# Altium PCB XTIDA-010086.PcbDoc (part 4 of 17)
Units mm, origin at the board's own origin, x right, y up, seen from the top; angles counter-clockwise.
Board outline 375 x 210 mm, 6 copper layers (Top Layer, GND Layer, Signal Layer 1, Signal Layer 2, Power Layer, Bottom Layer), stack 1.575 mm thick; 1884 components, 1036 nets, 4948 pads, 6791 vias.
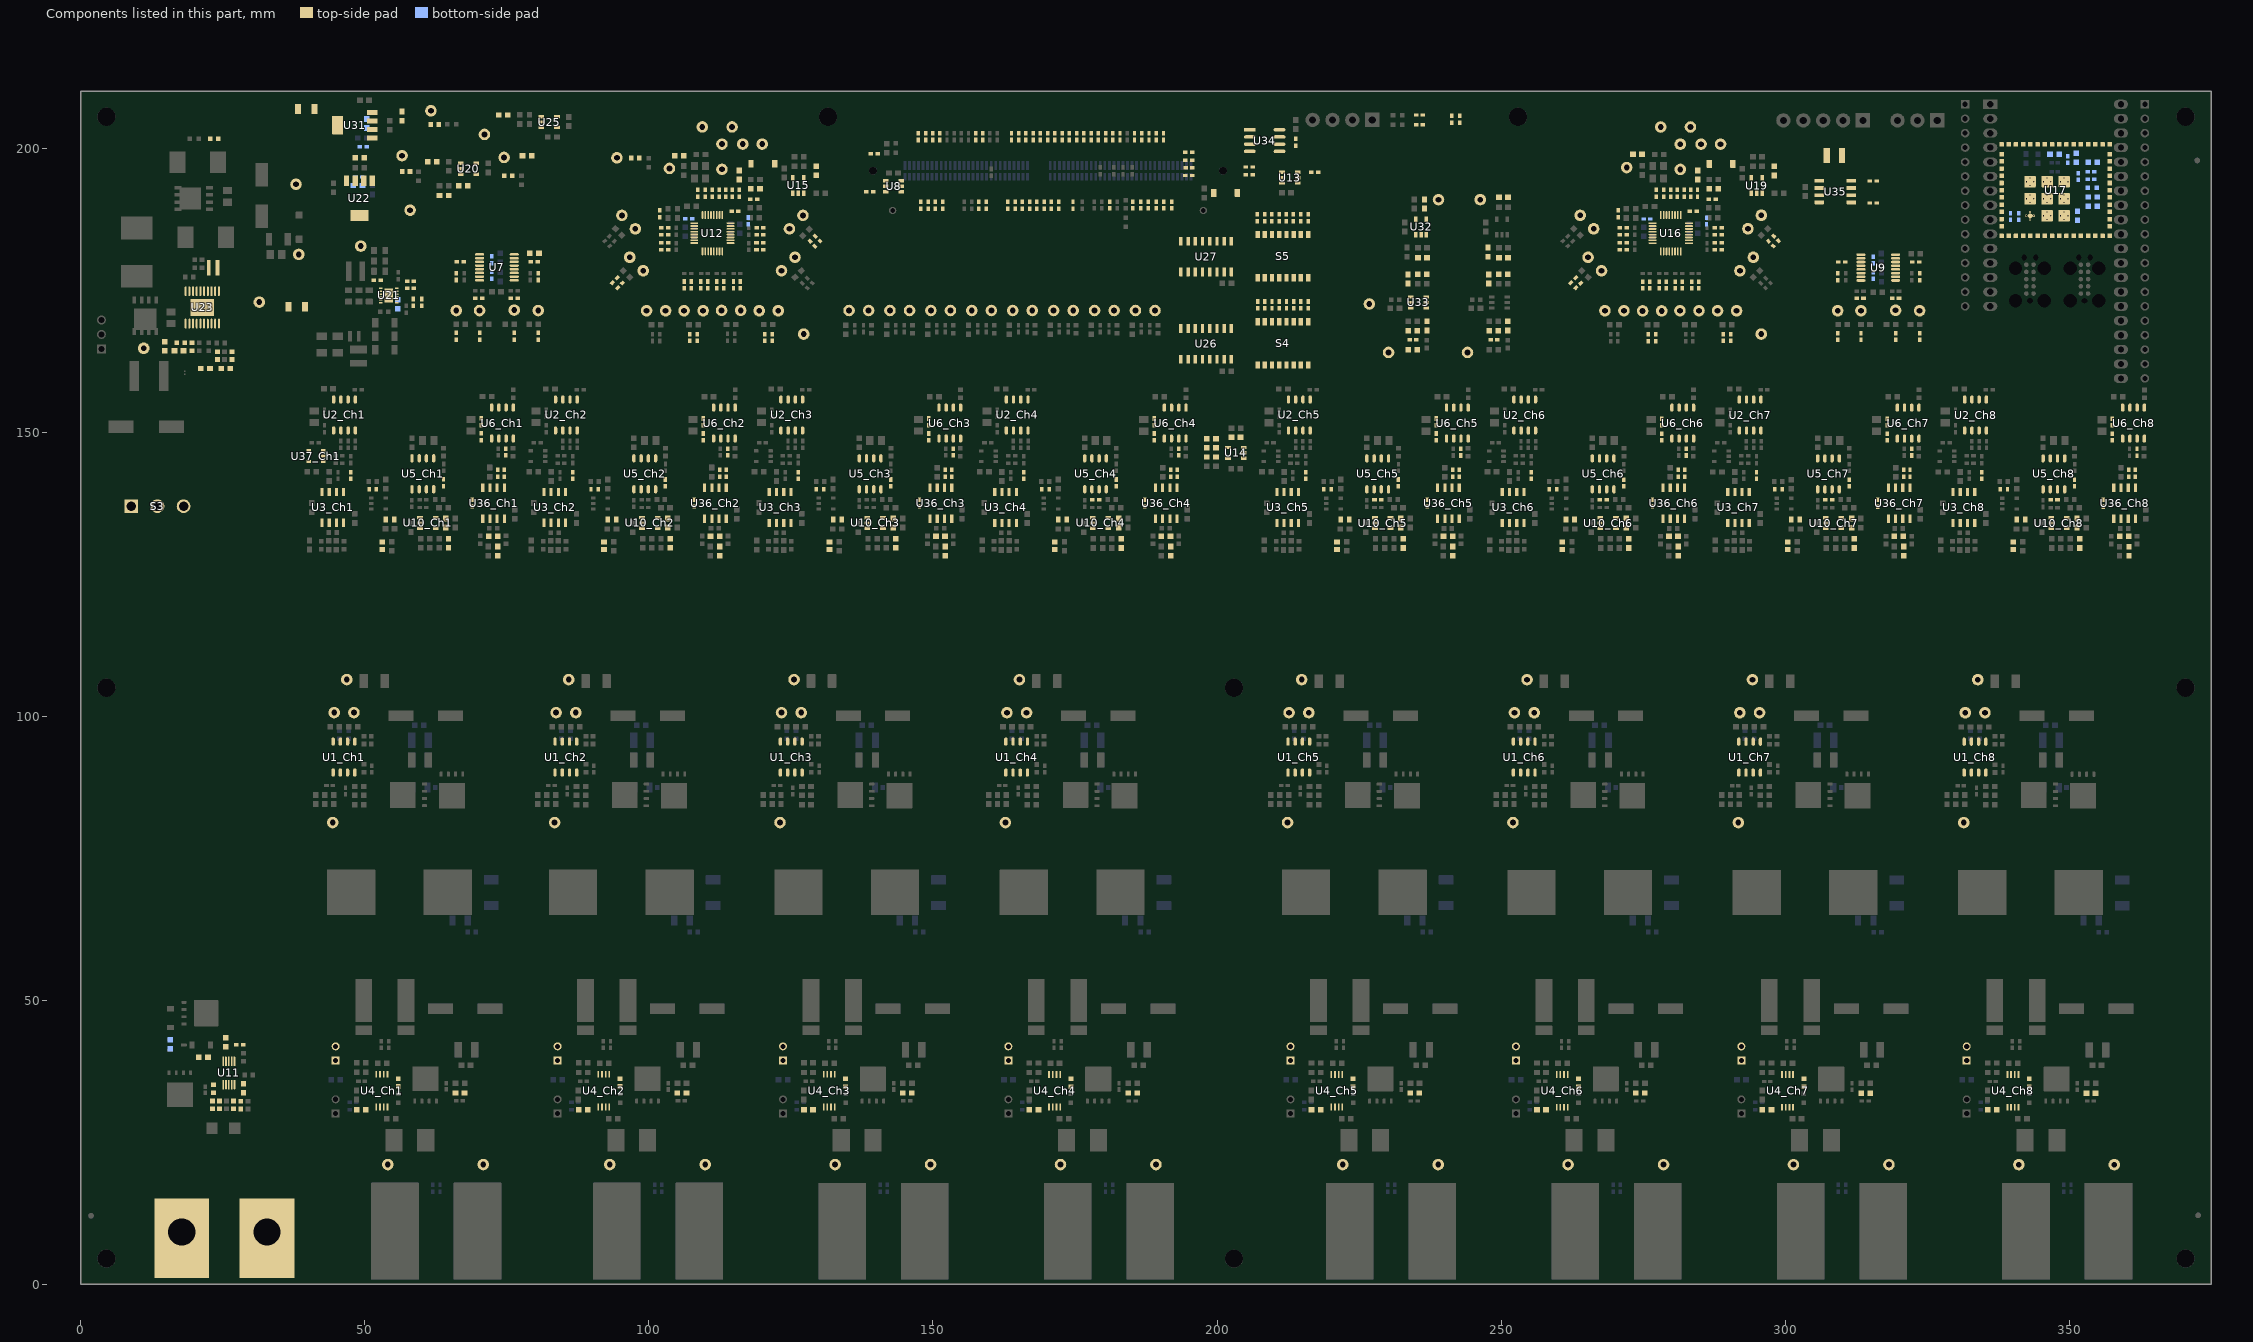
[diagram p8: the components of this part, seen from the top]

## Components (designator, comment, footprint, x,y, rotation, side; value= is the part's Value field where it differs from the comment) (continued)
R66_Ch4 "CRCW040211K0FKED" 0402 178.652,138.112 r0 top value=11.0k (schematic designator R66)
R66_Ch5 "CRCW040211K0FKED" 0402 228.327,138.11 r0 top value=11.0k (schematic designator R66)
R66_Ch6 "CRCW040211K0FKED" 0402 268.002,138.108 r0 top value=11.0k (schematic designator R66)
R66_Ch7 "CRCW040211K0FKED" 0402 307.676,138.106 r0 top value=11.0k (schematic designator R66)
R66_Ch8 "CRCW040211K0FKED" 0402 347.351,138.104 r0 top value=11.0k (schematic designator R66)
R67_Ch1 "CRCW04022K70JNED" 0402 63.833,141.052 r90 top value=2.7k (schematic designator R67)
R67_Ch2 "CRCW04022K70JNED" 0402 102.899,141.05 r90 top value=2.7k (schematic designator R67)
R67_Ch3 "CRCW04022K70JNED" 0402 142.573,141.048 r90 top value=2.7k (schematic designator R67)
R67_Ch4 "CRCW04022K70JNED" 0402 182.248,141.046 r90 top value=2.7k (schematic designator R67)
R67_Ch5 "CRCW04022K70JNED" 0402 231.923,141.044 r90 top value=2.7k (schematic designator R67)
R67_Ch6 "CRCW04022K70JNED" 0402 271.598,141.042 r90 top value=2.7k (schematic designator R67)
R67_Ch7 "CRCW04022K70JNED" 0402 311.273,141.04 r90 top value=2.7k (schematic designator R67)
R67_Ch8 "CRCW04022K70JNED" 0402 350.947,141.038 r90 top value=2.7k (schematic designator R67)
R68_Ch1 "CRCW04020000Z0ED" 0402 94.911,175.813 r45 top value=0 (schematic designator R68)
R68_Ch2 "CRCW04020000Z0ED" 0402 108.484,166.65 r90 top value=0 (schematic designator R68)
R68_Ch3 "CRCW04020000Z0ED" 0402 121.703,166.65 r90 top value=0 (schematic designator R68)
R68_Ch4 "CRCW04020000Z0ED" 0402 129.695,184.058 r135 top value=0 (schematic designator R68)
R68_Ch5 "CRCW04020000Z0ED" 0402 263.61,175.805 r45 top value=0 (schematic designator R68)
R68_Ch6 "CRCW04020000Z0ED" 0402 277.215,166.61 r90 top value=0 (schematic designator R68)
R68_Ch7 "CRCW04020000Z0ED" 0402 290.409,166.635 r90 top value=0 (schematic designator R68)
R68_Ch8 "CRCW04020000Z0ED" 0402 298.404,184.075 r135 top value=0 (schematic designator R68)
R69_Ch1 "CRCW04027K50FKED" 0402 73.415,142.738 r90 top value=7.50k (schematic designator R69)
R69_Ch2 "CRCW04027K50FKED" 0402 112.48,142.736 r90 top value=7.50k (schematic designator R69)
R69_Ch3 "CRCW04027K50FKED" 0402 152.155,142.734 r90 top value=7.50k (schematic designator R69)
R69_Ch4 "CRCW04027K50FKED" 0402 191.83,142.732 r90 top value=7.50k (schematic designator R69)
R69_Ch5 "CRCW04027K50FKED" 0402 241.504,142.73 r90 top value=7.50k (schematic designator R69)
R69_Ch6 "CRCW04027K50FKED" 0402 281.179,142.728 r90 top value=7.50k (schematic designator R69)
R69_Ch7 "CRCW04027K50FKED" 0402 320.854,142.726 r90 top value=7.50k (schematic designator R69)
R69_Ch8 "CRCW04027K50FKED" 0402 360.529,142.724 r90 top value=7.50k (schematic designator R69)
R70_Ch1 "RT0603BRD07100KL" 0603 64.719,130.409 r90 top value=100k (schematic designator R70)
R70_Ch2 "RT0603BRD07100KL" 0603 103.784,130.407 r90 top value=100k (schematic designator R70)
R70_Ch3 "RT0603BRD07100KL" 0603 143.459,130.405 r90 top value=100k (schematic designator R70)
R70_Ch4 "RT0603BRD07100KL" 0603 183.134,130.403 r90 top value=100k (schematic designator R70)
R70_Ch5 "RT0603BRD07100KL" 0603 232.809,130.401 r90 top value=100k (schematic designator R70)
R70_Ch6 "RT0603BRD07100KL" 0603 272.484,130.399 r90 top value=100k (schematic designator R70)
R70_Ch7 "RT0603BRD07100KL" 0603 312.158,130.397 r90 top value=100k (schematic designator R70)
R70_Ch8 "RT0603BRD07100KL" 0603 351.833,130.395 r90 top value=100k (schematic designator R70)
R71_Ch1 "CRCW04025K10JNED" 0402 70.51,151.79 r90 top value=5.1k (schematic designator R71)
R71_Ch2 "CRCW04025K10JNED" 0402 109.576,151.788 r90 top value=5.1k (schematic designator R71)
R71_Ch3 "CRCW04025K10JNED" 0402 149.25,151.786 r90 top value=5.1k (schematic designator R71)
R71_Ch4 "CRCW04025K10JNED" 0402 188.925,151.784 r90 top value=5.1k (schematic designator R71)
R71_Ch5 "CRCW04025K10JNED" 0402 238.6,151.782 r90 top value=5.1k (schematic designator R71)
R71_Ch6 "CRCW04025K10JNED" 0402 278.275,151.78 r90 top value=5.1k (schematic designator R71)
R71_Ch7 "CRCW04025K10JNED" 0402 317.95,151.778 r90 top value=5.1k (schematic designator R71)
R71_Ch8 "CRCW04025K10JNED" 0402 357.624,151.776 r90 top value=5.1k (schematic designator R71)
R72_Ch1 "32k 0603" 0603 72.584,131.642 r180 top value=32k (schematic designator R72)
R72_Ch2 "32k 0603" 0603 111.649,131.64 r180 top value=32k (schematic designator R72)
R72_Ch3 "32k 0603" 0603 151.324,131.638 r180 top value=32k (schematic designator R72)
R72_Ch4 "32k 0603" 0603 190.999,131.636 r180 top value=32k (schematic designator R72)
R72_Ch5 "32k 0603" 0603 240.673,131.634 r180 top value=32k (schematic designator R72)
R72_Ch6 "32k 0603" 0603 280.348,131.632 r180 top value=32k (schematic designator R72)
R72_Ch7 "32k 0603" 0603 320.023,131.63 r180 top value=32k (schematic designator R72)
R72_Ch8 "32k 0603" 0603 359.698,131.628 r180 top value=32k (schematic designator R72)
R73_Ch1 "CRCW04020000Z0ED" 0402 74.555,142.738 r270 top value=0 (schematic designator R73)
R73_Ch2 "CRCW04020000Z0ED" 0402 113.62,142.736 r270 top value=0 (schematic designator R73)
R73_Ch3 "CRCW04020000Z0ED" 0402 153.295,142.734 r270 top value=0 (schematic designator R73)
R73_Ch4 "CRCW04020000Z0ED" 0402 192.97,142.732 r270 top value=0 (schematic designator R73)
R73_Ch5 "CRCW04020000Z0ED" 0402 242.644,142.73 r270 top value=0 (schematic designator R73)
R73_Ch6 "CRCW04020000Z0ED" 0402 282.319,142.728 r270 top value=0 (schematic designator R73)
R73_Ch7 "CRCW04020000Z0ED" 0402 321.994,142.726 r270 top value=0 (schematic designator R73)
R73_Ch8 "CRCW04020000Z0ED" 0402 361.669,142.724 r270 top value=0 (schematic designator R73)
R74_Ch1 "CRCW04020000Z0ED" 0402 94.004,176.719 r225 top value=0 (schematic designator R74)
R74_Ch2 "CRCW04020000Z0ED" 0402 107.203,166.65 r270 top value=0 (schematic designator R74)
R74_Ch3 "CRCW04020000Z0ED" 0402 120.421,166.65 r270 top value=0 (schematic designator R74)
R74_Ch4 "CRCW04020000Z0ED" 0402 128.789,183.152 r315 top value=0 (schematic designator R74)
R74_Ch5 "CRCW04020000Z0ED" 0402 262.703,176.711 r225 top value=0 (schematic designator R74)
R74_Ch6 "CRCW04020000Z0ED" 0402 275.933,166.61 r270 top value=0 (schematic designator R74)
R74_Ch7 "CRCW04020000Z0ED" 0402 289.128,166.635 r270 top value=0 (schematic designator R74)
R74_Ch8 "CRCW04020000Z0ED" 0402 297.498,183.168 r315 top value=0 (schematic designator R74)
R75_Ch1 "RC0603FR-071RL" 0603 66.739,33.655 r0 top value=1.00 (schematic designator R75)
R75_Ch2 "RC0603FR-071RL" 0603 105.804,33.653 r0 top value=1.00 (schematic designator R75)
R75_Ch3 "RC0603FR-071RL" 0603 145.478,33.651 r0 top value=1.00 (schematic designator R75)
R75_Ch4 "RC0603FR-071RL" 0603 185.153,33.649 r0 top value=1.00 (schematic designator R75)
R75_Ch5 "RC0603FR-071RL" 0603 234.828,33.647 r0 top value=1.00 (schematic designator R75)
R75_Ch6 "RC0603FR-071RL" 0603 274.503,33.645 r0 top value=1.00 (schematic designator R75)
R75_Ch7 "RC0603FR-071RL" 0603 314.178,33.643 r0 top value=1.00 (schematic designator R75)
R75_Ch8 "RC0603FR-071RL" 0603 353.853,33.641 r0 top value=1.00 (schematic designator R75)
R76_Ch1 "CRCW06034K99FKEA" 0603L 55.867,35.495 r270 top value=4.99k (schematic designator R76)
R76_Ch2 "CRCW06034K99FKEA" 0603L 94.932,35.493 r270 top value=4.99k (schematic designator R76)
R76_Ch3 "CRCW06034K99FKEA" 0603L 134.607,35.491 r270 top value=4.99k (schematic designator R76)
R76_Ch4 "CRCW06034K99FKEA" 0603L 174.282,35.489 r270 top value=4.99k (schematic designator R76)
R76_Ch5 "CRCW06034K99FKEA" 0603L 223.957,35.487 r270 top value=4.99k (schematic designator R76)
R76_Ch6 "CRCW06034K99FKEA" 0603L 263.632,35.485 r270 top value=4.99k (schematic designator R76)
R76_Ch7 "CRCW06034K99FKEA" 0603L 303.307,35.483 r270 top value=4.99k (schematic designator R76)
R76_Ch8 "CRCW06034K99FKEA" 0603L 342.981,35.481 r270 top value=4.99k (schematic designator R76)
R77_Ch1 "49.9k 0603" 0603 64.262,133.991 r90 top value=49.9k (schematic designator R77)
R77_Ch2 "49.9k 0603" 0603 103.327,133.989 r90 top value=49.9k (schematic designator R77)
R77_Ch3 "49.9k 0603" 0603 143.002,133.987 r90 top value=49.9k (schematic designator R77)
R77_Ch4 "49.9k 0603" 0603 182.677,133.985 r90 top value=49.9k (schematic designator R77)
R77_Ch5 "49.9k 0603" 0603 232.352,133.983 r90 top value=49.9k (schematic designator R77)
R77_Ch6 "49.9k 0603" 0603 272.026,133.981 r90 top value=49.9k (schematic designator R77)
R77_Ch7 "49.9k 0603" 0603 311.701,133.979 r90 top value=49.9k (schematic designator R77)
R77_Ch8 "49.9k 0603" 0603 351.376,133.977 r90 top value=49.9k (schematic designator R77)
R78 "CRCW06032R00JNEA" 0603 236.958,168.676 r270 top value=2.0
R79 "ERJ-2GE0R00X" 0402 234.494,166.258 r180 top value=0
R80 "CRCW06032K00FKEA" 0603 21.573,39.968 r180 top value=2.00k
R81 "RC0603FR-07330KL" 0603 15.75,42.252 r90 bottom value=330k
R82 "RC0603FR-0710KL" 0603L 23.351,34.38 r90 top value=10.0k
R83 "CRCW060320K5FKEA" 0603 25.527,42.596 r90 top value=20.5k
R84 "RC0603FR-0754K9L" 0603L 26.882,31.541 r270 top value=54.9k
R85 "RC0603FR-0762KL" 0603L 23.166,31.541 r270 top value=62.0k
R86 "CRCW04020000Z0ED" 0402 27.965,42.139 r0 top value=0
R87 "CRCW06031M00FKEA" 0603 28.626,34.493 r270 top value=1.00Meg
R88 "RC0603FR-0710KL" 0603L 28.139,31.536 r90 top value=10.0k
R89 "RC0603FR-0710KL" 0603L 24.398,31.541 r90 top value=10.0k
R90 "CRCW04020000Z0ED" 0402 102.797,185.966 r0 top value=0
R91 "CRCW04020000Z0ED" 0402 102.797,184.757 r0 top value=0
R92 "CRCW04020000Z0ED" 0402 102.797,183.295 r0 top value=0
R93 "CRCW04020000Z0ED" 0402 102.797,182.071 r0 top value=0
R94 "CRCW04020000Z0ED" 0402 106.237,175.905 r90 top value=0
R95 "CRCW04020000Z0ED" 0402 108.588,192.05 r90 top value=0
R96 "CRCW04020000Z0ED" 0402 107.456,175.905 r90 top value=0
R97 "CRCW04020000Z0ED" 0402 109.934,192.05 r90 top value=0
R98 "RC0603FR-07100KL" 0603 105.331,198.656 r180 top value=100k
R99 "CRCW04020000Z0ED" 0402 109.158,175.905 r90 top value=0
R100 "CRCW04020000Z0ED" 0402 110.382,175.905 r90 top value=0
R101 "CRCW04020000Z0ED" 0402 111.952,175.905 r90 top value=0
R102 "CRCW04020000Z0ED" 0402 111.153,192.05 r90 top value=0
R103 "CRCW04020000Z0ED" 0402 113.176,175.905 r90 top value=0
R104 "CRCW04020000Z0ED" 0402 114.887,175.905 r90 top value=0
R105 "CRCW04020000Z0ED" 0402 112.347,192.05 r90 top value=0
R106 "CRCW04020000Z0ED" 0402 113.516,192.05 r90 top value=0
R107 "CRCW04020000Z0ED" 0402 116.111,175.905 r90 top value=0
R108 "RC0603FR-07100KL" 0603 115.903,195.25 r90 top value=100k
R109 "RC0603FR-07100KL" 0603 118.748,192.837 r0 top value=100k
R110 "CRCW04020000Z0ED" 0402 114.684,192.05 r90 top value=0
R111 "CRCW04020000Z0ED" 0402 119.537,182.071 r180 top value=0
R112 "CRCW04020000Z0ED" 0402 115.878,192.05 r90 top value=0
R113 "CRCW04020000Z0ED" 0402 119.537,183.295 r180 top value=0
R114 "CRCW04020000Z0ED" 0402 115.141,188.849 r0 top value=0
R115 "CRCW04020000Z0ED" 0402 106.998,187.519 r180 bottom value=0
R116 "CRCW04020000Z0ED" 0402 119.551,184.757 r180 top value=0
R117 "CRCW04020000Z0ED" 0402 119.551,185.966 r180 top value=0
R118 "CRCW04020000Z0ED" 0402 101.908,188.443 r90 top value=0
R119 "CRCW04020000Z0ED" 0402 117.463,187.163 r270 bottom value=0
R120 "CRCW04020000Z0ED" 0402 118.469,191.008 r180 top value=0
R121 "CRCW04020000Z0ED" 0402 271.496,185.958 r0 top value=0
R122 "CRCW04020000Z0ED" 0402 271.496,184.749 r0 top value=0
R123 "CRCW04020000Z0ED" 0402 271.496,183.287 r0 top value=0
R124 "CRCW04020000Z0ED" 0402 271.496,182.063 r0 top value=0
R125 "CRCW04020000Z0ED" 0402 274.936,175.897 r90 top value=0
R126 "CRCW04020000Z0ED" 0402 277.287,192.042 r90 top value=0
R127 "CRCW04020000Z0ED" 0402 276.155,175.897 r90 top value=0
R128 "CRCW04020000Z0ED" 0402 278.633,192.042 r90 top value=0
R129 "RC0603FR-07100KL" 0603 274.015,198.907 r180 top value=100k
R130 "CRCW04020000Z0ED" 0402 277.857,175.897 r90 top value=0
R131 "CRCW04020000Z0ED" 0402 279.081,175.897 r90 top value=0
R132 "CRCW04020000Z0ED" 0402 280.651,175.897 r90 top value=0
R133 "CRCW04020000Z0ED" 0402 279.853,192.042 r90 top value=0
R134 "CRCW04020000Z0ED" 0402 281.875,175.897 r90 top value=0
R135 "CRCW04020000Z0ED" 0402 283.586,175.897 r90 top value=0
R136 "CRCW04020000Z0ED" 0402 281.046,192.042 r90 top value=0
R137 "CRCW04020000Z0ED" 0402 282.215,192.042 r90 top value=0
R138 "CRCW04020000Z0ED" 0402 284.81,175.897 r90 top value=0
R139 "RC0603FR-07100KL" 0603 284.602,195.242 r90 top value=100k
R140 "RC0603FR-07100KL" 0603 287.447,192.829 r0 top value=100k
R141 "CRCW04020000Z0ED" 0402 283.383,192.042 r90 top value=0
R142 "CRCW04020000Z0ED" 0402 288.236,182.063 r180 top value=0
R143 "CRCW04020000Z0ED" 0402 284.577,192.042 r90 top value=0
R144 "CRCW04020000Z0ED" 0402 288.236,183.287 r180 top value=0
R145 "CRCW04020000Z0ED" 0402 283.84,188.841 r0 top value=0
R146 "CRCW04020000Z0ED" 0402 275.703,187.506 r180 bottom value=0
R147 "CRCW04020000Z0ED" 0402 288.25,184.749 r180 top value=0
R148 "CRCW04020000Z0ED" 0402 288.25,185.958 r180 top value=0
R149 "CRCW04020000Z0ED" 0402 270.607,188.435 r90 top value=0
R150 "CRCW04020000Z0ED" 0402 286.162,187.155 r270 bottom value=0
R151 "CRCW04020000Z0ED" 0402 287.168,191 r180 top value=0
R152 "5108" 5108 39.667,206.883 r0 top value=0
R153 "5108" 5108 37.998,172.052 r180 top value=0
R154 "RG1608P-4991-B-T5" 0603 236.127,177.763 r0 top value=4.99k
R155 "RG1608P-102-B-T5" 0603 233.611,176.941 r270 top value=1.00k
R156 "RG1608P-4990-B-T5" 0603 234.444,167.844 r0 top value=499
R157 "ERJ-3RQFR22V" 0603 234.444,164.455 r0 top value=0.22
R158 "RG1608P-303-B-T5" 0603 236.171,180.711 r0 top value=30.0k
R159 "CRCW04020000Z0ED" 0402 66.088,177.362 r90 top value=0
R160 "CRCW04020000Z0ED" 0402 72.349,177.59 r90 bottom value=0
R161_Ch1 "RC0603FR-0710KL" 0603 49.354,30.718 r180 top value=10.0k (schematic designator R161)
R161_Ch2 "RC0603FR-0710KL" 0603 88.419,30.716 r180 top value=10.0k (schematic designator R161)
R161_Ch3 "RC0603FR-0710KL" 0603 128.094,30.714 r180 top value=10.0k (schematic designator R161)
R161_Ch4 "RC0603FR-0710KL" 0603 167.769,30.712 r180 top value=10.0k (schematic designator R161)
R161_Ch5 "RC0603FR-0710KL" 0603 217.443,30.71 r180 top value=10.0k (schematic designator R161)
R161_Ch6 "RC0603FR-0710KL" 0603 257.118,30.708 r180 top value=10.0k (schematic designator R161)
R161_Ch7 "RC0603FR-0710KL" 0603 296.793,30.706 r180 top value=10.0k (schematic designator R161)
R161_Ch8 "RC0603FR-0710KL" 0603 336.468,30.704 r180 top value=10.0k (schematic designator R161)
R162 "CRCW04020000Z0ED" 0402 213.843,201.019 r90 top value=0
R163 "Resistor" 0603 74.346,205.816 r0 top value=0
R164 "ERJ-2GE0R00X" 0402 235.634,204.115 r180 top value=0
R165 "ERJ-2GE0R00X" 0402 235.634,205.811 r180 top value=0
R166 "CRCW04020000Z0ED" 0402 72.349,180.308 r90 bottom value=0
R167 "RC0603FR-07100KL" 0603 79.842,181.451 r180 top value=100k
R168 "CRCW04020000Z0ED" 0402 70.038,173.551 r0 top value=0
R169 "CRCW04020000Z0ED" 0402 76.288,173.551 r180 top value=0
R170 "CRCW04020000Z0ED" 0402 79.817,179.962 r0 top value=0
R171 "CRCW04020000Z0ED" 0402 66.787,179.962 r180 top value=0
R172 "CRCW04020000Z0ED" 0402 80.515,177.362 r90 top value=0
R173 "CRCW04020000Z0ED" 0402 181.655,202.006 r90 top value=0
R174 "CRCW04020000Z0ED" 0402 309.253,177.332 r90 top value=0
R175 "CRCW04020000Z0ED" 0402 315.515,177.56 r90 bottom value=0
R176 "Resistor" 0603 56.536,205.613 r90 top value=0
R177 "RC0603FR-07100KL" 0603 129.438,196.012 r90 top value=100k
R178 "CRCW04020000Z0ED" 0402 315.515,180.278 r90 bottom value=0
R179 "CRCW06034K99FKEA" 0603L 97.587,198.247 r0 top value=4.99k
R180 "CRCW06034K99FKEA" 0603L 75.209,195.109 r0 top value=4.99k
R181 "RC0603FR-07100KL" 0603 298.121,195.968 r90 top value=100k
R182 "CRCW06034K99FKEA" 0603L 57.24,195.848 r0 top value=4.99k
R183 "CRCW06034K99FKEA" 0603L 62.306,204.14 r0 top value=4.99k
R184 "CRCW04020000Z0ED" 0402 313.203,173.521 r0 top value=0
R185_Ch1 "CRCW04020000Z0ED" 0402 47.53,142.361 r270 top value=0 (schematic designator R185)
R185_Ch2 "CRCW04020000Z0ED" 0402 86.595,142.359 r270 top value=0 (schematic designator R185)
R185_Ch3 "CRCW04020000Z0ED" 0402 126.27,142.357 r270 top value=0 (schematic designator R185)
R185_Ch4 "CRCW04020000Z0ED" 0402 165.944,142.355 r270 top value=0 (schematic designator R185)
R185_Ch5 "CRCW04020000Z0ED" 0402 215.619,142.353 r270 top value=0 (schematic designator R185)
R185_Ch6 "CRCW04020000Z0ED" 0402 255.294,142.351 r270 top value=0 (schematic designator R185)
R185_Ch7 "CRCW04020000Z0ED" 0402 294.969,142.349 r270 top value=0 (schematic designator R185)
R185_Ch8 "CRCW04020000Z0ED" 0402 334.644,142.347 r270 top value=0 (schematic designator R185)
R186 "CRCW04020000Z0ED" 0402 319.454,173.521 r180 top value=0
R187 "CRCW04020000Z0ED" 0402 182.929,202.006 r90 top value=0
R188 "CRCW04020000Z0ED" 0402 48.946,194.894 r0 bottom value=0
R189 "CRCW04020000Z0ED" 0402 49.708,200.228 r0 bottom value=0
R190 "RC0603FR-0710KL" 0603 48.768,193.396 r180 bottom value=10.0k
R191 "RC0603FR-0710KL" 0603 50.343,204.318 r90 bottom value=10.0k
R192 "CRCW04020000Z0ED" 0402 322.982,179.932 r0 top value=0
R193 "CRCW04020000Z0ED" 0402 309.952,179.932 r180 top value=0
R194 "RC0603FR-0710KL" 0603 63.942,191.647 r0 top value=10.0k
R195 "RC0603FR-0710KL" 0603 55.804,172.491 r90 bottom value=10.0k
R196 "CRCW040249R9FKED" 0402 52.197,176.708 r0 top value=49.9
R197 "CRCW0402130KFKED" 0402 58.039,175.285 r0 top value=130k
R198 "CRCW0402100KDHEDP" 0402 58.547,172.822 r270 top value=100k
R199 "CRCW040224K0JNED" 0402 58.039,176.555 r180 top value=24k
R200 "CRCW0402100KDHEDP" 0402 59.995,172.822 r270 top value=100k
R201 "Resistor" 0603 61.859,197.591 r0 top value=0
R202 "CRCW0603100KFKEA" 0603 67.296,193.355 r0 top value=100k
R203 "Resistor" 0603 78.56,198.64 r0 top value=0
R204 "CRCW04020000Z0ED" 0402 323.681,177.332 r90 top value=0
R205 "Resistor" 0603 49.098,198.272 r0 top value=0
R206 "CRCW060320K0FKEA" 0603L 17.615,165.727 r0 top value=20.0k
R207 "RC0603FR-07100KL" 0603 14.77,165.092 r90 top value=100k
R208 "CRCW060349K9FKEA" 0603 17.285,164.28 r180 top value=49.9k
R209 "CRCW06034K99FKEA" 0603L 23.47,201.643 r180 top value=4.99k
R210 "CRCW060318K2FKEA" 0603L 19.591,164.996 r90 top value=18.2k
R211 "PRL1632-R068-F-T1" 0612 23.266,178.91 r0 top value=0.068
R212 "RC0603FR-0724KL" 0603L 24.072,163.472 r270 top value=24.0k
R213 "RC0603FR-077K32L" 0603 21.92,161.181 r0 top value=7.32k
R214 "RC0603FR-0752K3L" 0603 25.489,161.181 r0 top value=52.3k
R215 "CRCW060310R0FKEA" 0603L 26.607,163.472 r90 top value=10.0
R216_Ch1 "RT0603BRE071KL" RESC1608X55X25ML10T15 54.417,134.605 r180 top (schematic designator R216)
R216_Ch2 "RT0603BRE071KL" RESC1608X55X25ML10T15 93.482,134.603 r180 top (schematic designator R216)
R216_Ch3 "RT0603BRE071KL" RESC1608X55X25ML10T15 133.157,134.601 r180 top (schematic designator R216)
R216_Ch4 "RT0603BRE071KL" RESC1608X55X25ML10T15 172.832,134.599 r180 top (schematic designator R216)
R216_Ch5 "RT0603BRE071KL" RESC1608X55X25ML10T15 222.506,134.597 r180 top (schematic designator R216)
R216_Ch6 "RT0603BRE071KL" RESC1608X55X25ML10T15 262.181,134.595 r180 top (schematic designator R216)
R216_Ch7 "RT0603BRE071KL" RESC1608X55X25ML10T15 301.856,134.593 r180 top (schematic designator R216)
R216_Ch8 "RT0603BRE071KL" RESC1608X55X25ML10T15 341.531,134.591 r180 top (schematic designator R216)
R217_Ch1 "RT0603BRD07560RL" RESC1608X55X25LL10T15 51.384,139.927 r180 top (schematic designator R217)
R217_Ch2 "RT0603BRD07560RL" RESC1608X55X25LL10T15 90.449,139.925 r180 top (schematic designator R217)
R217_Ch3 "RT0603BRD07560RL" RESC1608X55X25LL10T15 130.124,139.923 r180 top (schematic designator R217)
R217_Ch4 "RT0603BRD07560RL" RESC1608X55X25LL10T15 169.799,139.921 r180 top (schematic designator R217)
R217_Ch5 "RT0603BRD07560RL" RESC1608X55X25LL10T15 219.474,139.919 r180 top (schematic designator R217)
R217_Ch6 "RT0603BRD07560RL" RESC1608X55X25LL10T15 259.149,139.917 r180 top (schematic designator R217)
R217_Ch7 "RT0603BRD07560RL" RESC1608X55X25LL10T15 298.823,139.915 r180 top (schematic designator R217)
R217_Ch8 "RT0603BRD07560RL" RESC1608X55X25LL10T15 338.498,139.913 r180 top (schematic designator R217)
R218 "RG1608P-102-B-T5" 0603 236.525,190.144 r270 top value=1.00k
R219_Ch1 "PNM0402E5000BST1" 0402 66.088,166.844 r90 top value=500 (schematic designator R219)
R219_Ch2 "PNM0402E5000BST1" 0402 70.188,166.844 r90 top value=500 (schematic designator R219)
R219_Ch3 "PNM0402E5000BST1" 0402 76.288,166.844 r90 top value=500 (schematic designator R219)
R219_Ch4 "PNM0402E5000BST1" 0402 80.515,166.844 r90 top value=500 (schematic designator R219)
R219_Ch5 "PNM0402E5000BST1" 0402 309.253,166.814 r90 top value=500 (schematic designator R219)
R219_Ch6 "PNM0402E5000BST1" 0402 313.354,166.814 r90 top value=500 (schematic designator R219)
R219_Ch7 "PNM0402E5000BST1" 0402 319.454,166.814 r90 top value=500 (schematic designator R219)